# Altium PCB LimeSDR-QPCIe_1v2.PcbDoc (part 6 of 21)
Units mm, origin at the board's own origin, x right, y up, seen from the top; angles counter-clockwise.
Board outline 190 x 111.15 mm, 14 copper layers (Top, L2, L3, L4, L5, L6, L7, L8, L9, L10, L11, L12, L13, Bottom), stack 1.907 mm thick; 2014 components, 1408 nets, 9111 pads, 4171 vias.
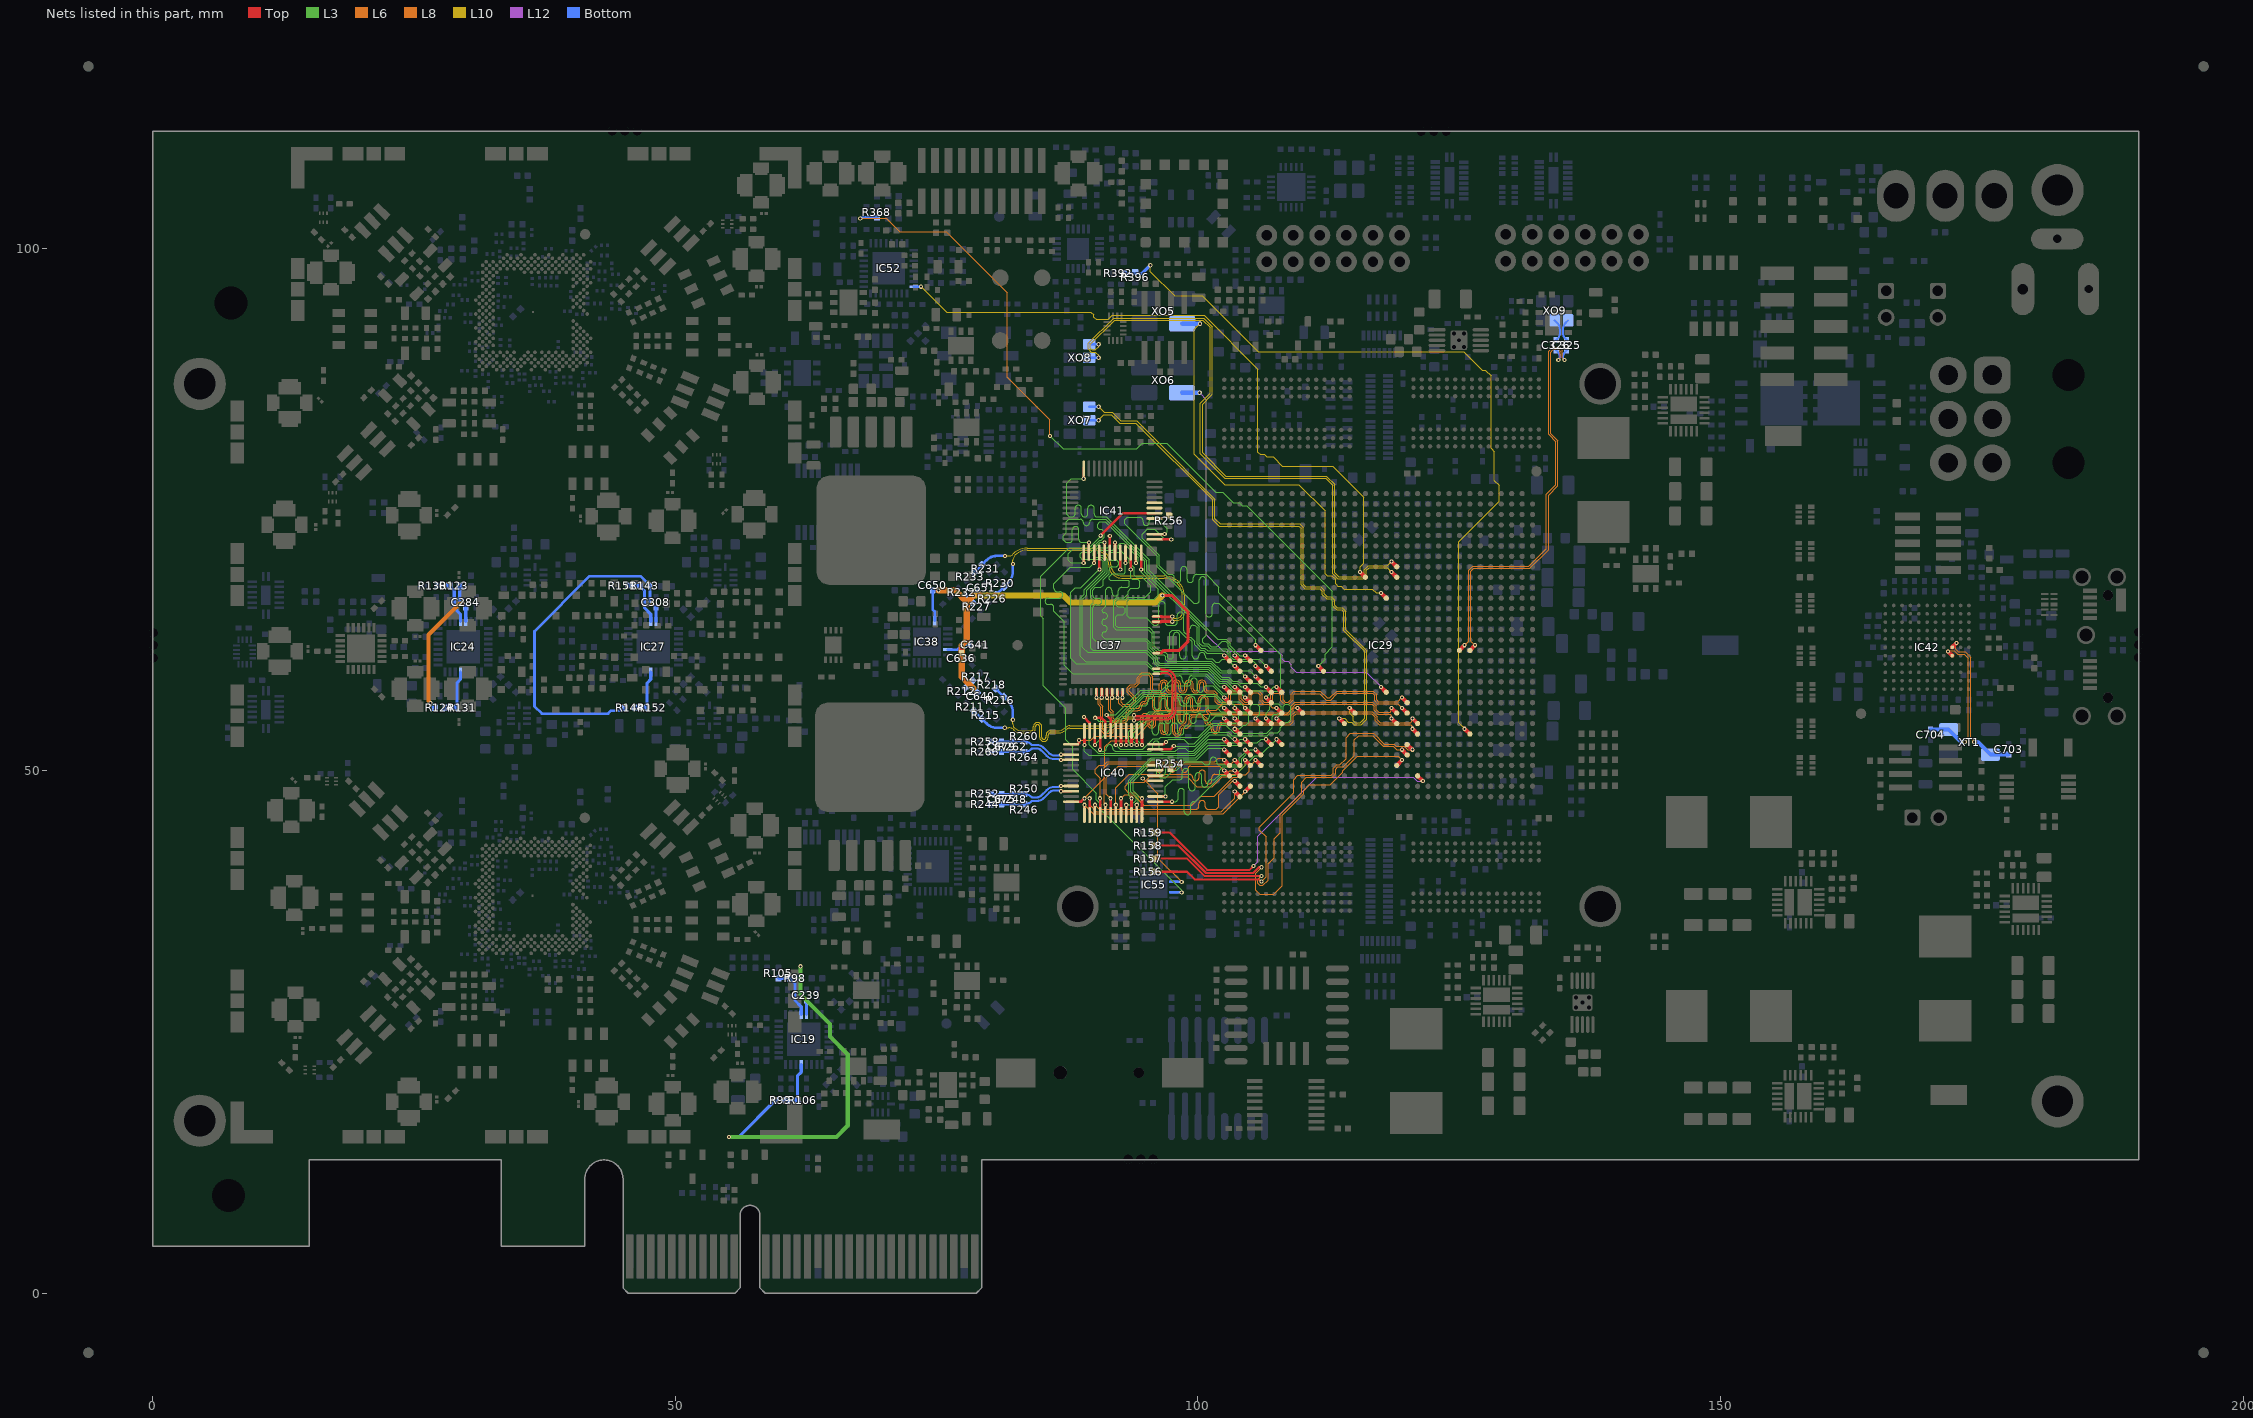
[diagram p18: the nets of this part, all layers, seen from the top]

## Via types
v1: diameter 0.4, hole 0.2, Top to Bottom, tented both sides, 3282 vias
v2: diameter 0.4, hole 0.2, Top to Bottom, tented top, 531 vias
v3: diameter 0.35, hole 0.2, Top to Bottom, tented top, 210 vias
v4: diameter 0.5, hole 0.2, Top to Bottom, tented both sides, 99 vias
v5: diameter 0.5, hole 0.2, Top to Bottom, tented bottom, 49 vias

## Nets (pads, with @x,y where several pads share a name; then routed paths per layer and width w, separated by ;. In a path a pad name is that pad's centre, name@x,y a point inside that pad or via, vN(x,y) a via of type N, cw(c..) or ccw(c..) an arc to the next point about the centre after c; other vN are vias at no path point) (continued)
ADC_DB4_N: IC29.G12 IC37.6 | length 47.4
  Top w0.3: v1(90.3,56.975) IC37.6@90.3,57.55 IC37.6@90.3,57.8
  Top w0.4: v2(120.525,54) IC29.G12@121.025,53.5
  L6 w0.1: v1(90.3,56.975) 90.45,56.825 90.45,56.325 90.7,56.075 90.7,53.856 91.206,53.35 91.566,53.35 91.9,53.684 91.9,53.95 92.025,54.075 94.35,54.075 ccw(c94.35,54.479) 94.754,54.479 94.754,55.048 cw(c94.958,55.048) 95.162,55.048 95.162,54.479 ccw(c95.566,54.479) 95.97,54.479 95.97,55.048 cw(c96.174,55.048) 96.378,55.048 96.378,53.879 ccw(c96.782,53.879) 97.186,53.879 97.186,55.048 cw(c97.39,55.048) 97.594,55.048 97.594,53.706 ccw(c97.998,53.706) 98.402,53.706 98.402,53.871 cw(c98.606,53.871) 98.606,54.075 99.008,54.075 99.375,54.442 99.375,55 99.525,55.15 100.4,55.15 100.692,54.858 100.692,54.55 100.867,54.375 101.059,54.375 cw(c101.059,54.171) 101.263,54.171 101.263,53.947 ccw(c101.667,53.947) 102.071,53.947 102.071,54.171 cw(c102.275,54.171) 102.275,54.375 108.833,54.375 109.15,54.692 109.15,55.2 109.4,55.45 116.617,55.45 116.975,55.092 116.975,54.772 117.347,54.4 120.375,54.4 120.525,54.25 v2(120.525,54)
ADC_DB4_P: IC29.H12 IC37.7 | length 47
  Top w0.3: v1(90.8,56.975) IC37.7@90.8,57.55 IC37.7@90.8,57.8
  Top w0.4: v2(120.525,55) IC29.H12@121.025,54.5
  L6 w0.1: v1(90.8,56.975) 90.65,56.825 90.65,56.408 90.9,56.158 90.9,53.939 91.289,53.55 91.483,53.55 91.7,53.767 91.7,54.033 91.942,54.275 94.35,54.275 ccw(c94.35,54.479) 94.554,54.479 94.554,55.048 cw(c94.958,55.048) 95.362,55.048 95.362,54.479 ccw(c95.566,54.479) 95.77,54.479 95.77,55.048 cw(c96.174,55.048) 96.578,55.048 96.578,53.879 ccw(c96.782,53.879) 96.986,53.879 96.986,55.048 cw(c97.39,55.048) 97.794,55.048 97.794,53.706 ccw(c97.998,53.706) 98.202,53.706 98.202,53.871 cw(c98.606,53.871) 98.606,54.275 98.925,54.275 99.175,54.525 99.175,55.083 99.442,55.35 100.483,55.35 100.892,54.941 100.892,54.841 100.892,54.633 100.95,54.575 101.059,54.575 cw(c101.059,54.171) 101.463,54.171 101.463,53.947 ccw(c101.667,53.947) 101.871,53.947 101.871,54.171 cw(c102.275,54.171) 102.275,54.575 108.75,54.575 108.95,54.775 108.95,55.283 109.317,55.65 116.7,55.65 117.175,55.175 117.175,54.855 117.43,54.6 120.375,54.6 120.525,54.75 v2(120.525,55)
ADC_DB5_N: IC29.H14 IC37.8 | length 47.2
  Top w0.3: v1(91.3,56.975) IC37.8@91.3,57.55 IC37.8@91.3,57.8
  Top w0.4: v2(118.525,55) IC29.H14@119.025,54.5
  L6 w0.1: v1(91.3,56.975) 91.45,56.825 91.45,55.792 91.692,55.55 91.692,54.908 92.034,54.566 92.841,54.566 ccw(c92.841,55.05) 93.325,55.05 93.325,55.55 cw(c93.525,55.55) 93.525,55.75 94.225,55.75 ccw(c94.225,56.175) 94.65,56.175 94.65,56.2 cw(c94.85,56.2) 94.85,56.4 94.869,56.4 ccw(c94.869,56.804) 95.273,56.804 95.273,56.895 cw(c95.477,56.895) 95.681,56.895 95.681,56.052 ccw(c96.085,56.052) 96.489,56.052 96.489,56.996 cw(c96.693,56.996) 96.897,56.996 96.897,56.052 ccw(c97.301,56.052) 97.705,56.052 97.705,56.996 cw(c97.909,56.996) 98.113,56.996 98.113,54.875 ccw(c98.517,54.875) 98.921,54.875 98.921,56.746 cw(c99.125,56.746) 99.125,56.95 cw(c99.125,56.775) 99.3,56.775 99.3,56.025 ccw(c99.725,56.025) 99.725,55.6 ccw(c99.725,56.1) 100.225,56.1 100.225,56.725 cw(c100.475,56.725) 100.475,56.975 100.55,56.975 cw(c100.55,56.725) 100.8,56.725 100.8,55.85 ccw(c101.3,55.85) 101.3,55.35 102.325,55.35 108.708,55.35 109.125,55.767 109.125,56.125 109.35,56.35 116.67,56.35 116.875,56.145 116.875,55.758 117.233,55.4 118.4,55.4 118.525,55.275 v2(118.525,55)
ADC_DB5_P: IC29.J14 IC37.9 | length 46.9
  Top w0.3: v1(91.8,56.975) IC37.9@91.8,57.55 IC37.9@91.8,57.8
  Top w0.4: v2(118.525,56) IC29.J14@119.025,55.5
  L6 w0.1: v1(91.8,56.975) 91.65,56.825 91.65,55.875 91.892,55.633 91.892,54.991 92.116,54.766 92.841,54.766 ccw(c92.841,55.05) 93.125,55.05 93.125,55.55 cw(c93.525,55.55) 93.525,55.95 94.225,55.95 ccw(c94.225,56.175) 94.45,56.175 94.45,56.2 cw(c94.85,56.2) 94.85,56.6 94.869,56.6 ccw(c94.869,56.804) 95.073,56.804 95.073,56.895 cw(c95.477,56.895) 95.881,56.895 95.881,56.052 ccw(c96.085,56.052) 96.289,56.052 96.289,56.996 cw(c96.693,56.996) 97.097,56.996 97.097,56.052 ccw(c97.301,56.052) 97.505,56.052 97.505,56.996 cw(c97.909,56.996) 98.313,56.996 98.313,54.875 ccw(c98.517,54.875) 98.721,54.875 98.721,56.746 cw(c99.125,56.746) 99.125,57.15 cw(c99.125,56.775) 99.5,56.775 99.5,56.025 ccw(c99.725,56.025) 99.725,55.8 ccw(c99.725,56.1) 100.025,56.1 100.025,56.725 cw(c100.475,56.725) 100.475,57.175 100.55,57.175 cw(c100.55,56.725) 101,56.725 101,55.85 ccw(c101.3,55.85) 101.3,55.55 102.325,55.55 108.625,55.55 108.925,55.85 108.925,56.208 109.267,56.55 116.753,56.55 117.083,56.22 117.083,55.833 117.316,55.6 118.4,55.6 118.525,55.725 v2(118.525,56)
ADC_DB6_N: IC29.J13 IC37.10 | length 47.2
  Top w0.3: v1(92.3,56.975) IC37.10@92.3,57.55
  Top w0.4: v2(119.525,56) IC29.J13@120.025,55.5
  L6 w0.1: v1(92.3,56.975) 92.45,56.825 92.45,56.45 92.75,56.15 93.65,56.15 94.075,56.575 94.075,56.978 93.45,57.603 93.45,57.85 93.625,58.025 94.066,58.025 94.4,58.359 94.4,58.816 94.734,59.15 95.251,59.15 95.5,58.901 95.5,57.692 95.767,57.425 96.125,57.425 ccw(c96.125,57.829) 96.529,57.829 96.529,58.246 cw(c96.733,58.246) 96.937,58.246 96.937,57.829 ccw(c97.341,57.829) 97.745,57.829 97.745,58.246 cw(c97.949,58.246) 98.153,58.246 98.153,57.829 ccw(c98.557,57.829) 98.961,57.829 98.961,58.246 cw(c99.165,58.246) 99.369,58.246 99.369,57.829 ccw(c99.773,57.829) 100.177,57.829 100.177,58.246 cw(c100.381,58.246) 100.585,58.246 100.585,57.829 ccw(c100.989,57.829) 100.989,57.425 101.475,57.425 101.65,57.25 101.65,56.592 101.892,56.35 102.783,56.35 103.15,56.717 103.15,57.275 103.3,57.425 103.8,57.425 103.95,57.275 103.95,56.797 104.397,56.35 104.808,56.35 105.125,56.667 105.125,57.2 105.35,57.425 105.75,57.425 105.95,57.225 105.95,56.667 106.267,56.35 106.808,56.35 107.175,56.717 107.175,57.317 107.266,57.409 107.716,57.409 107.95,57.175 107.95,56.692 108.292,56.35 108.708,56.35 109.125,56.767 109.125,57.234 109.266,57.375 111.65,57.375 112.275,56.75 112.708,56.75 113.358,57.4 116.717,57.4 116.911,57.207 116.911,56.675 117.186,56.4 119.125,56.4 v2(119.525,56)
ADC_DB6_P: IC29.K13 IC37.11 | length 46.9
  Top w0.3: v1(92.8,56.975) IC37.11@92.8,57.55
  Top w0.4: v2(119.525,57) IC29.K13@120.025,56.5
  L6 w0.1: v1(92.8,56.975) 92.65,56.825 92.65,56.533 92.833,56.35 93.567,56.35 93.875,56.658 93.875,56.895 93.25,57.52 93.25,57.933 93.542,58.225 93.983,58.225 94.2,58.442 94.2,58.899 94.651,59.35 95.334,59.35 95.7,58.984 95.7,57.775 95.85,57.625 96.125,57.625 ccw(c96.125,57.829) 96.329,57.829 96.329,58.246 cw(c96.733,58.246) 97.137,58.246 97.137,57.829 ccw(c97.341,57.829) 97.545,57.829 97.545,58.246 cw(c97.949,58.246) 98.353,58.246 98.353,57.829 ccw(c98.557,57.829) 98.761,57.829 98.761,58.246 cw(c99.165,58.246) 99.569,58.246 99.569,57.829 ccw(c99.773,57.829) 99.977,57.829 99.977,58.246 cw(c100.381,58.246) 100.785,58.246 100.785,57.829 ccw(c100.989,57.829) 100.989,57.625 101.558,57.625 101.85,57.333 101.85,56.675 101.975,56.55 102.7,56.55 102.95,56.8 102.95,57.358 103.217,57.625 103.883,57.625 104.15,57.358 104.15,56.88 104.48,56.55 104.725,56.55 104.925,56.75 104.925,57.283 105.267,57.625 105.833,57.625 106.15,57.308 106.15,56.75 106.35,56.55 106.725,56.55 106.975,56.8 106.975,57.4 107.184,57.609 107.799,57.609 108.15,57.258 108.15,56.775 108.375,56.55 108.625,56.55 108.925,56.85 108.925,57.325 109.175,57.575 111.733,57.575 112.358,56.95 112.625,56.95 113.275,57.6 116.8,57.6 117.111,57.289 117.111,56.758 117.268,56.6 119.125,56.6 v2(119.525,57)
ADC_INA_N: IC37.30 R226.1 R230.1 | length 27.9
  Top w0.309: IC37.30@95.725,64.75 IC37.30@96,64.75 96.44,64.75 cw(c96.44,64.595) 96.55,64.705 97.505,64.705 v1(97.55,64.75)
  L10 w0.1: v1(82.3,69.775) 82.3,70.137 cw(c82.938,70.137) 82.487,70.588 cw(c83.662,69.413) 83.662,71.075 90.075,71.075 cw(c90.075,69.675) 91.475,69.675 ccw(c92.725,69.675) 92.725,68.425 96.8,68.425 cw(c96.8,66.7) 98.525,66.7 98.525,65.1 cw(c98.025,65.1) 98.025,64.6 97.7,64.6 cw(c97.7,64.75) v1(97.55,64.75)
  Bottom w0.254: R226.1@80.663,66.802 R230.1@81.441,67.58 81.886,68.025 ccw(c80.885,69.025) 82.3,69.025 v1(82.3,69.775)
ADC_INA_P: IC37.29 R231.1 R233.1 | length 28.7
  Top w0.309: IC37.29@95.72,64.25 IC37.29@96,64.25 96.436,64.25 ; 96.44,64.25 ccw(c96.44,64.405) 96.55,64.295 97.5,64.296 v1(97.545,64.25)
  L10 w0.1: v1(81.532,70.543) 81.894,70.543 ccw(c81.894,71.181) 82.345,70.73 cw(c83.662,69.413) 83.662,71.275 90.075,71.275 cw(c90.075,69.675) 91.675,69.675 ccw(c92.725,69.675) 92.725,68.625 96.8,68.625 cw(c96.8,66.7) 98.725,66.7 98.725,65.1 cw(c98.025,65.1) 98.025,64.4 97.695,64.4 ccw(c97.695,64.25) v1(97.545,64.25)
  Bottom w0.254: R233.1@78.559,68.906 R231.1@79.337,69.683 79.782,70.128 cw(c80.782,69.128) 80.782,70.543 v1(81.532,70.543)
ADC_INB_N: IC37.20 R211.1 R215.1 | length 28.9
  Top w0.2: v1(93.9,54.8) cw(c94,54.8) 94,54.9 97.025,54.9 ccw(c97.025,55.75) 97.875,55.75 97.875,58.625 ccw(c96.85,58.625) 96.85,59.65 96.55,59.65 ccw(c96.309,59.409) 96.309,59.75 IC37.20@96,59.75
  L10 w0.1: v1(81.525,54.1) 81.922,54.1 cw(c81.922,53.547) 82.313,53.938 ccw(c83.129,54.754) 83.129,53.6 84.05,53.6 ccw(c84.05,54.004) 84.454,54.004 84.454,54.198 cw(c84.658,54.198) 84.862,54.198 84.862,53.202 ccw(c85.266,53.202) 85.67,53.202 85.67,53.396 cw(c85.874,53.396) 85.874,53.6 86.605,53.6 ccw(c86.605,54.779) 87.167,53.743 ccw(c86.605,54.779) 87.439,53.945 cw(c87.752,53.632) 87.752,54.075 90.928,54.075 ccw(c90.928,55.697) 92.075,54.55 cw(c93.041,53.584) 93.041,54.95 93.75,54.95 cw(c93.75,54.8) v1(93.9,54.8)
  Bottom w0.254: R211.1@78.552,55.737 R215.1@79.33,54.959 79.775,54.514 ccw(c80.775,55.515) 80.775,54.1 v1(81.525,54.1)
ADC_INB_P: IC37.19 R216.1 R218.1 | length 27.8
  Top w0.2: v1(93.905,55.3) ccw(c94.005,55.3) 94.005,55.2 97.025,55.2 ccw(c97.025,55.75) 97.575,55.75 97.575,58.625 ccw(c96.85,58.625) 96.85,59.35 96.55,59.35 cw(c96.309,59.591) 96.309,59.25 IC37.19@96,59.25
  L10 w0.1: v1(82.293,54.868) 82.293,54.47 ccw(c82.845,54.47) 82.455,54.08 ccw(c83.129,54.754) 83.129,53.8 84.05,53.8 ccw(c84.05,54.004) 84.254,54.004 84.254,54.198 cw(c84.658,54.198) 85.062,54.198 85.062,53.202 ccw(c85.266,53.202) 85.47,53.202 85.47,53.396 cw(c85.874,53.396) 85.874,53.8 86.605,53.8 ccw(c86.605,54.779) 87.048,53.906 ccw(c86.605,54.779) 87.298,54.087 cw(c87.752,53.632) 87.321,54.108 cw(c87.752,53.632) 87.752,54.275 90.928,54.275 ccw(c90.928,55.697) 91.934,54.691 cw(c93.041,53.584) 93.041,55.15 93.755,55.15 ccw(c93.755,55.3) v1(93.905,55.3)
  Bottom w0.254: R218.1@80.656,57.841 R216.1@81.433,57.063 81.878,56.618 cw(c80.878,55.618) 82.293,55.618 v1(82.293,54.868)
ADC_VCM: C636.2 C640.1 C641.1 C650.1 C651.1 IC37.23 IC38.11 IC38.17 R212.1 R217.2 R227.1 R232.2 | length 47.7
  Top w0.309: C636.2@77.375,61.25 77.375,61.95 cw(c77.4,61.95) v1(77.4,61.975) ; IC37.23@96,61.25 96.5,61.25 96.75,61.5 98.225,61.5 99.05,62.325 99.05,65.225 97.525,66.75 v1(96.6,66.75)
  L6 w0.6: v1(75.175,67.25) 76.775,67.25 77.9,66.125 ; v1(78.499,57.876) 77.4,58.975 v1(77.4,61.975) 77.9,62.475 77.9,66.125 ; v1(78.524,66.749) 77.9,66.125
  L10 w0.6: v1(78.524,66.749) 87.153,66.749 87.827,66.075 95.925,66.075 v1(96.6,66.75)
  Bottom w0.254: IC38.11@74.825,64.325 74.825,65.2 74.625,65.4 C650.1@74.625,67.25 v1(75.175,67.25) ; IC38.17@76.075,61.575 77,61.575 77.45,62.025 C641.1@78.2,62.025
ADF_MUXOUT: IC29.G7 R392.1 R396.1 | length 76.8
  Top w0.4: v2(125.525,54) IC29.G7@126.025,53.5
  L10 w0.1: v1(95.45,98.35) 95.45,97.75 97.775,95.425 100.4,95.425 105.755,90.07 125.463,90.07 127.208,88.325 127.5,88.325 128.05,87.775 128.05,80.825 128.375,80.5 128.375,77.75 128.825,77.3 128.825,75.795 124.95,71.92 124.95,54.575 v2(125.525,54)
  Bottom w0.3: R392.1@92.9,97.575 94.675,97.575 v1(95.45,98.35)
ADL1_ADJA: IC19.21 R99.1 R106.1 | length 4.7
  Bottom w0.3: R99.1@60.575,18.45 R106.1@61.7,18.45 61.7,20.8 62.05,21.15 IC19.21@62.05,21.875
ADL1_ADJB: IC19.4 R98.1 R105.2 | length 5
  Bottom w0.3: R105.2@59.875,30.125 R98.1@60.975,30.125 61.45,29.65 61.45,28 62.05,27.4 IC19.4@62.05,26.675
ADL1_VREF: C239.1 IC19.5 R98.2 R99.2 | length 39.7
  L3 w0.4: v1(55.125,14.95) 65.425,14.95 66.5,16.025 66.5,22.85 64.8,24.55 64.8,25.75 61.975,28.575 v1(61.975,31.275)
  Bottom w0.3: v1(55.125,14.95) 56.075,14.95 R99.2@59.575,18.45 ; v1(61.975,31.275) R98.2@61.975,30.125 61.975,28.6 C239.1@62.55,28.025 ; IC19.5@62.55,26.675 62.55,28 C239.1@62.575,28.025
ADL2_ADJA: IC24.21 R124.1 R131.1 | length 4.7
  Bottom w0.3: R124.1@27.975,56.025 R131.1@29.1,56.025 29.1,58.375 29.45,58.725 IC24.21@29.45,59.45
ADL2_ADJB: IC24.4 R123.1 R130.2 | length 5
  Bottom w0.3: R130.2@27.275,67.7 R123.1@28.375,67.7 28.85,67.225 28.85,65.575 29.45,64.975 IC24.4@29.45,64.25
ADL2_VREF: C284.1 IC24.5 R123.2 R124.2 | length 15.4
  L6 w0.4: v1(26.575,56.45) 26.375,56.65 26.375,63 29.375,66 v1(29.65,66)
  Bottom w0.3: R123.2@29.375,67.7 29.375,66.301 29.95,65.726 C284.1@29.95,65.6 ; IC24.5@29.95,64.25 29.95,65.575 C284.1@29.975,65.6
  Bottom w0.4: v1(26.575,56.45) 26.975,56.05 R124.2@26.975,56.025
ADL3_ADJA: IC27.21 R144.1 R152.1 | length 4.7
  Bottom w0.3: R144.1@46.175,56.025 R152.1@47.3,56.025 47.3,58.375 47.65,58.725 IC27.21@47.65,59.45
ADL3_ADJB: IC27.4 R143.1 R151.2 | length 5
  Bottom w0.3: R151.2@45.475,67.7 R143.1@46.575,67.7 47.05,67.225 47.05,65.575 47.65,64.975 IC27.4@47.65,64.25
ADL3_VREF: C308.1 IC27.5 R143.2 R144.2 | length 33.7
  Bottom w0.25: R144.2@45.175,56.025 44.888,55.738 43.863,55.738 43.575,55.45 37.225,55.45 36.525,56.15 36.525,63.325 41.8,68.6 46.675,68.6 R143.2@47.575,67.7
  Bottom w0.3: R143.2@47.575,67.7 47.575,66.175 C308.1@48.15,65.6 ; IC27.5@48.15,64.25 48.15,65.575 C308.1@48.175,65.6
  other v1: 47.825,65.925
BOM_VER0: IC29.F13 R156.1 | length 38.1
  Top w0.2: R156.1@95.75,40.325 98.959,40.325 99.684,39.6 105.825,39.6 v1@105.975,39.45
  Top w0.4: IC29.F13@120.025,52.5 v2(120.525,52)
  L8 w0.1: v1(106.075,39.375) 106.525,39.825 106.525,43.65 105.875,44.3 105.875,44.572 109.175,47.872 109.175,49.145 109.58,49.55 112.767,49.55 112.975,49.758 112.975,50.228 113.297,50.55 113.57,50.55 114.175,51.155 114.175,53.145 114.58,53.55 116.808,53.55 117.818,52.54 118.773,52.54 118.963,52.35 119.725,52.35 120.075,52 v2(120.525,52)
BOM_VER1: IC29.E13 R157.1 | length 37.7
  Top w0.2: R157.1@95.75,41.575 98.976,41.575 100.651,39.9 v1@106.075,39.9
  Top w0.4: v2(119.525,52) IC29.E13@120.025,51.5
  L8 w0.1: v1(106.075,39.925) 105.725,39.575 105.725,39.23 105.93,39.025 106.22,39.025 106.725,39.53 106.725,41.075 107.325,41.675 107.325,43.5 107.875,44.05 107.875,45.825 109.925,47.875 109.925,48.895 110.38,49.35 112.85,49.35 113.175,49.675 113.175,50.145 113.38,50.35 113.9,50.35 114.975,51.425 114.975,52.945 115.38,53.35 116.725,53.35 117.735,52.34 118.69,52.34 119.03,52 v2(119.525,52)
BOM_VER2: IC29.D14 R158.1 | length 38.8
  Top w0.2: R158.1@95.75,42.825 98.151,42.825 100.776,40.2 105.3,40.2 105.85,40.75 v1(106.1,40.75)
  Top w0.4: IC29.D14@119.025,50.5 v1(119.525,51)
  L8 w0.1: v1(106.1,40.75) 105.525,40.175 105.525,38.575 105.925,38.175 107.25,38.175 108.075,39 108.075,45.742 110.125,47.792 110.125,48.095 110.68,48.65 112.68,48.65 113.875,49.845 113.875,50 115.25,51.375 119.15,51.375 v1(119.525,51)
BOM_VER3: IC29.C12 R159.1 | length 33.2
  Top w0.2: R159.1@95.75,44.075 97.325,44.075 100.9,40.5 104.95,40.5 v1(105.325,40.875)
  Top w0.4: IC29.C12@121.025,49.5 v1(121.525,49)
  L12 w0.1: v1(105.325,40.875) 105.75,41.3 105.75,43.72 110.38,48.35 111.38,49.35 120.625,49.35 120.975,49 v1(121.525,49)
CLK100_FPGA: IC29.Y15 XO5.3 | length 42.2
  Top w0.4: v2(117.525,67) IC29.Y15@118.025,66.5
  L10 w0.1: v1(100.2,92.75) 99.675,92.225 99.675,80.25 102.575,77.35 109.67,77.35 112.175,74.845 112.175,70.075 112.175,68.855 112.38,68.65 112.814,68.65 113.175,68.289 113.175,67.855 113.38,67.65 113.725,67.65 114.025,67.35 116.7,67.35 117.05,67 v2(117.525,67)
  Bottom w0.4: XO5.3@98.5,92.75 v1(100.2,92.75)
CLK125_FPGA: IC29.L15 XO6.3 | length 45
  Top w0.4: v2(117.525,58) IC29.L15@118.025,57.5
  L12 w0.1: v1(100.175,86.15) 100.825,85.5 100.825,63.008 102.408,61.425 107.666,61.425 108.075,61.016 108.075,60.65 108.25,60.475 108.625,60.475 108.95,60.15 108.95,59.875 109.4,59.425 116.1,59.425 v2(117.525,58)
  Bottom w0.4: XO6.3@98.475,86.15 v1(100.175,86.15)
CLK125_FPGA_BOT_N: IC29.AC14 XO8.5 | length 58.1
  Top w0.4: v2(118.525,70) IC29.AC14@119.025,69.5
  L10 w0.1: v1(90.51,89.5) 90.51,89.735 90.2,90.045 89.822,90.045 89.525,90.342 89.525,90.883 91.942,93.3 100.554,93.3 101.375,92.479 101.375,86 101.225,85.85 100.45,85.075 100.45,80.4 102.675,78.175 112.3,78.175 113.1,77.375 113.1,68.93 113.48,68.55 115.75,68.55 115.925,68.725 115.925,69.233 116.292,69.6 118.125,69.6 v2(118.525,70)
  Bottom w0.254: XO8.5@89.6,89.5 v1(90.51,89.5)
CLK125_FPGA_BOT_P: IC29.AB14 XO8.4 | length 57.4
  Top w0.4: v2(118.525,69) IC29.AB14@119.025,68.5
  L10 w0.1: v1(90.51,90.79) 90.51,90.555 90.2,90.245 89.905,90.245 89.725,90.425 89.725,90.8 92.025,93.1 100.471,93.1 101.175,92.396 101.175,86.083 100.25,85.158 100.25,80.317 102.592,77.975 112.217,77.975 112.9,77.292 112.9,68.847 113.397,68.35 115.833,68.35 116.125,68.642 116.125,69.15 116.375,69.4 118.125,69.4 v2(118.525,69)
  Bottom w0.254: XO8.4@89.6,90.79 v1(90.51,90.79)
CLK125_FPGA_REF_N: C326.2 XO9.5 | length 2.2
  Bottom w0.2: XO9.5@134.136,93.076 134.363,92.85 cw(c133.714,92.201) 134.631,92.201 134.631,91.851 cw(c133.907,91.851) 134.419,91.339 C326.2@134.281,91.201
CLK125_FPGA_REF_P: C325.2 XO9.4 | length 2.2
  Bottom w0.2: C325.2@135.281,91.201 135.143,91.339 cw(c135.656,91.851) 134.931,91.851 134.931,92.201 cw(c135.849,92.201) 135.2,92.85 XO9.4@135.426,93.076
CLK125_FPGA_REFC_N: C326.1 IC29.R7 | length 38.9
  Top w0.4: IC29.R7@126.025,61.5 v2(126.525,62)
  L8 w0.1: v2(126.525,62) 126.125,62.4 126.125,69.095 126.38,69.35 131.75,69.35 133.55,71.15 133.55,76.367 134.45,77.267 134.45,81.55 133.75,82.25 133.75,90.05 134,90.3 134.525,90.3 134.681,90.144 134.681,89.494 v1(134.488,89.3)
  Bottom w0.2: C326.1@134.281,90.201 134.419,90.063 cw(c133.907,89.551) 134.631,89.551 cw(c134.372,89.551) 134.555,89.368 v1(134.488,89.3)
CLK125_FPGA_REFC_P: C325.1 IC29.R8 | length 39.6
  Top w0.4: IC29.R8@125.025,61.5 v2(125.525,62)
  L8 w0.1: v2(125.525,62) 125.925,62.4 125.925,69.178 126.297,69.55 131.667,69.55 133.35,71.233 133.35,76.45 134.25,77.35 134.25,81.467 133.55,82.167 133.55,90.133 133.917,90.5 134.608,90.5 134.881,90.227 134.881,89.494 v1(135.075,89.3)
  Bottom w0.2: v1(135.075,89.3) 135.007,89.368 cw(c135.191,89.551) 134.931,89.551 cw(c135.656,89.551) 135.143,90.063 C325.1@135.281,90.201
CLK125_FPGA_TOP_N: IC29.J18 XO7.5 | length 51.6
  Top w0.4: v2(114.525,56) IC29.J18@115.025,55.5
  L10 w0.1: v1(90.51,83.525) 90.51,83.58 91,84.07 91.705,84.07 92.475,83.3 92.525,83.25 94.075,83.25 101.425,75.9 101.425,74.017 102.042,73.4 109.675,73.4 109.875,73.2 109.875,67.767 110.242,67.4 111.675,67.4 111.9,67.175 111.9,66.842 112.317,66.425 112.7,66.425 112.9,66.225 112.9,65.742 113.267,65.375 113.75,65.375 113.95,65.175 113.95,63.4 115.95,61.4 115.95,55.008 115.542,54.6 115.066,54.6 114.875,54.791 114.875,55.145 114.525,55.495 v2(114.525,56)
  Bottom w0.254: XO7.5@89.6,83.525 v1(90.51,83.525)
CLK125_FPGA_TOP_P: IC29.H19 XO7.4 | length 52.4
  Top w0.4: v2(113.525,55) IC29.H19@114.025,54.5
  L10 w0.1: v1(90.51,84.815) 91.055,84.27 91.788,84.27 92.608,83.45 94.158,83.45 95.825,81.783 101.625,75.983 101.625,74.1 102.125,73.6 109.758,73.6 110.075,73.283 110.075,67.85 110.325,67.6 111.758,67.6 112.1,67.258 112.1,66.925 112.4,66.625 112.783,66.625 113.1,66.308 113.1,65.825 113.35,65.575 113.833,65.575 114.15,65.258 114.15,63.483 116.15,61.483 116.15,54.925 115.625,54.4 114.984,54.4 114.734,54.65 114.38,54.65 114.03,55 v2(113.525,55)
  Bottom w0.254: XO7.4@89.6,84.815 v1(90.51,84.815)
CLK_LMK_FPGA_IN: IC29.AB17 IC52.8 | length 64.5
  Top w0.4: v2(115.525,69) IC29.AB17@116.025,68.5
  L10 w0.1: v1(73.525,96.3) 75.95,93.875 89.775,93.875 90.05,93.6 90.05,93.38 90.255,93.175 91.425,93.175 91.8,93.55 100.587,93.55 105.75,88.387 105.75,80.475 105.975,80.25 106.367,80.25 106.609,80.009 107.201,80.009 108.084,79.125 112.895,79.125 115.875,76.145 115.875,69.855 115.525,69.505 v2(115.525,69)
  Bottom w0.254: IC52.8@72.825,96.3 v1(73.525,96.3)
CLK_LMK_FPGA_OUT: IC29.N21 R368.1 | length 76.1
  Top w0.4: v2(111.525,60) IC29.N21@112.025,59.5
  L3 w0.1: v1(85.85,82.025) 87.1,80.775 94.15,80.775 94.7,81.325 97,81.325 101.7,76.625 102.395,76.625 103.395,75.625 103.975,75.625 104.25,75.35 104.67,75.35 112.67,67.35 112.875,67.145 112.875,61.855 112.175,61.155 112.175,60.65 v2(111.525,60)
  L8 w0.1: v1(67.7,102.825) 70.2,102.825 71.475,101.55 75.925,101.55 81.75,95.725 81.75,87.65 85.85,83.55 v1(85.85,82.025)